# Allegro board RK_NVR_DEMO1_RK3588_LP4XD200P232SD8_V21_20211228_final_lint.brd (continued)
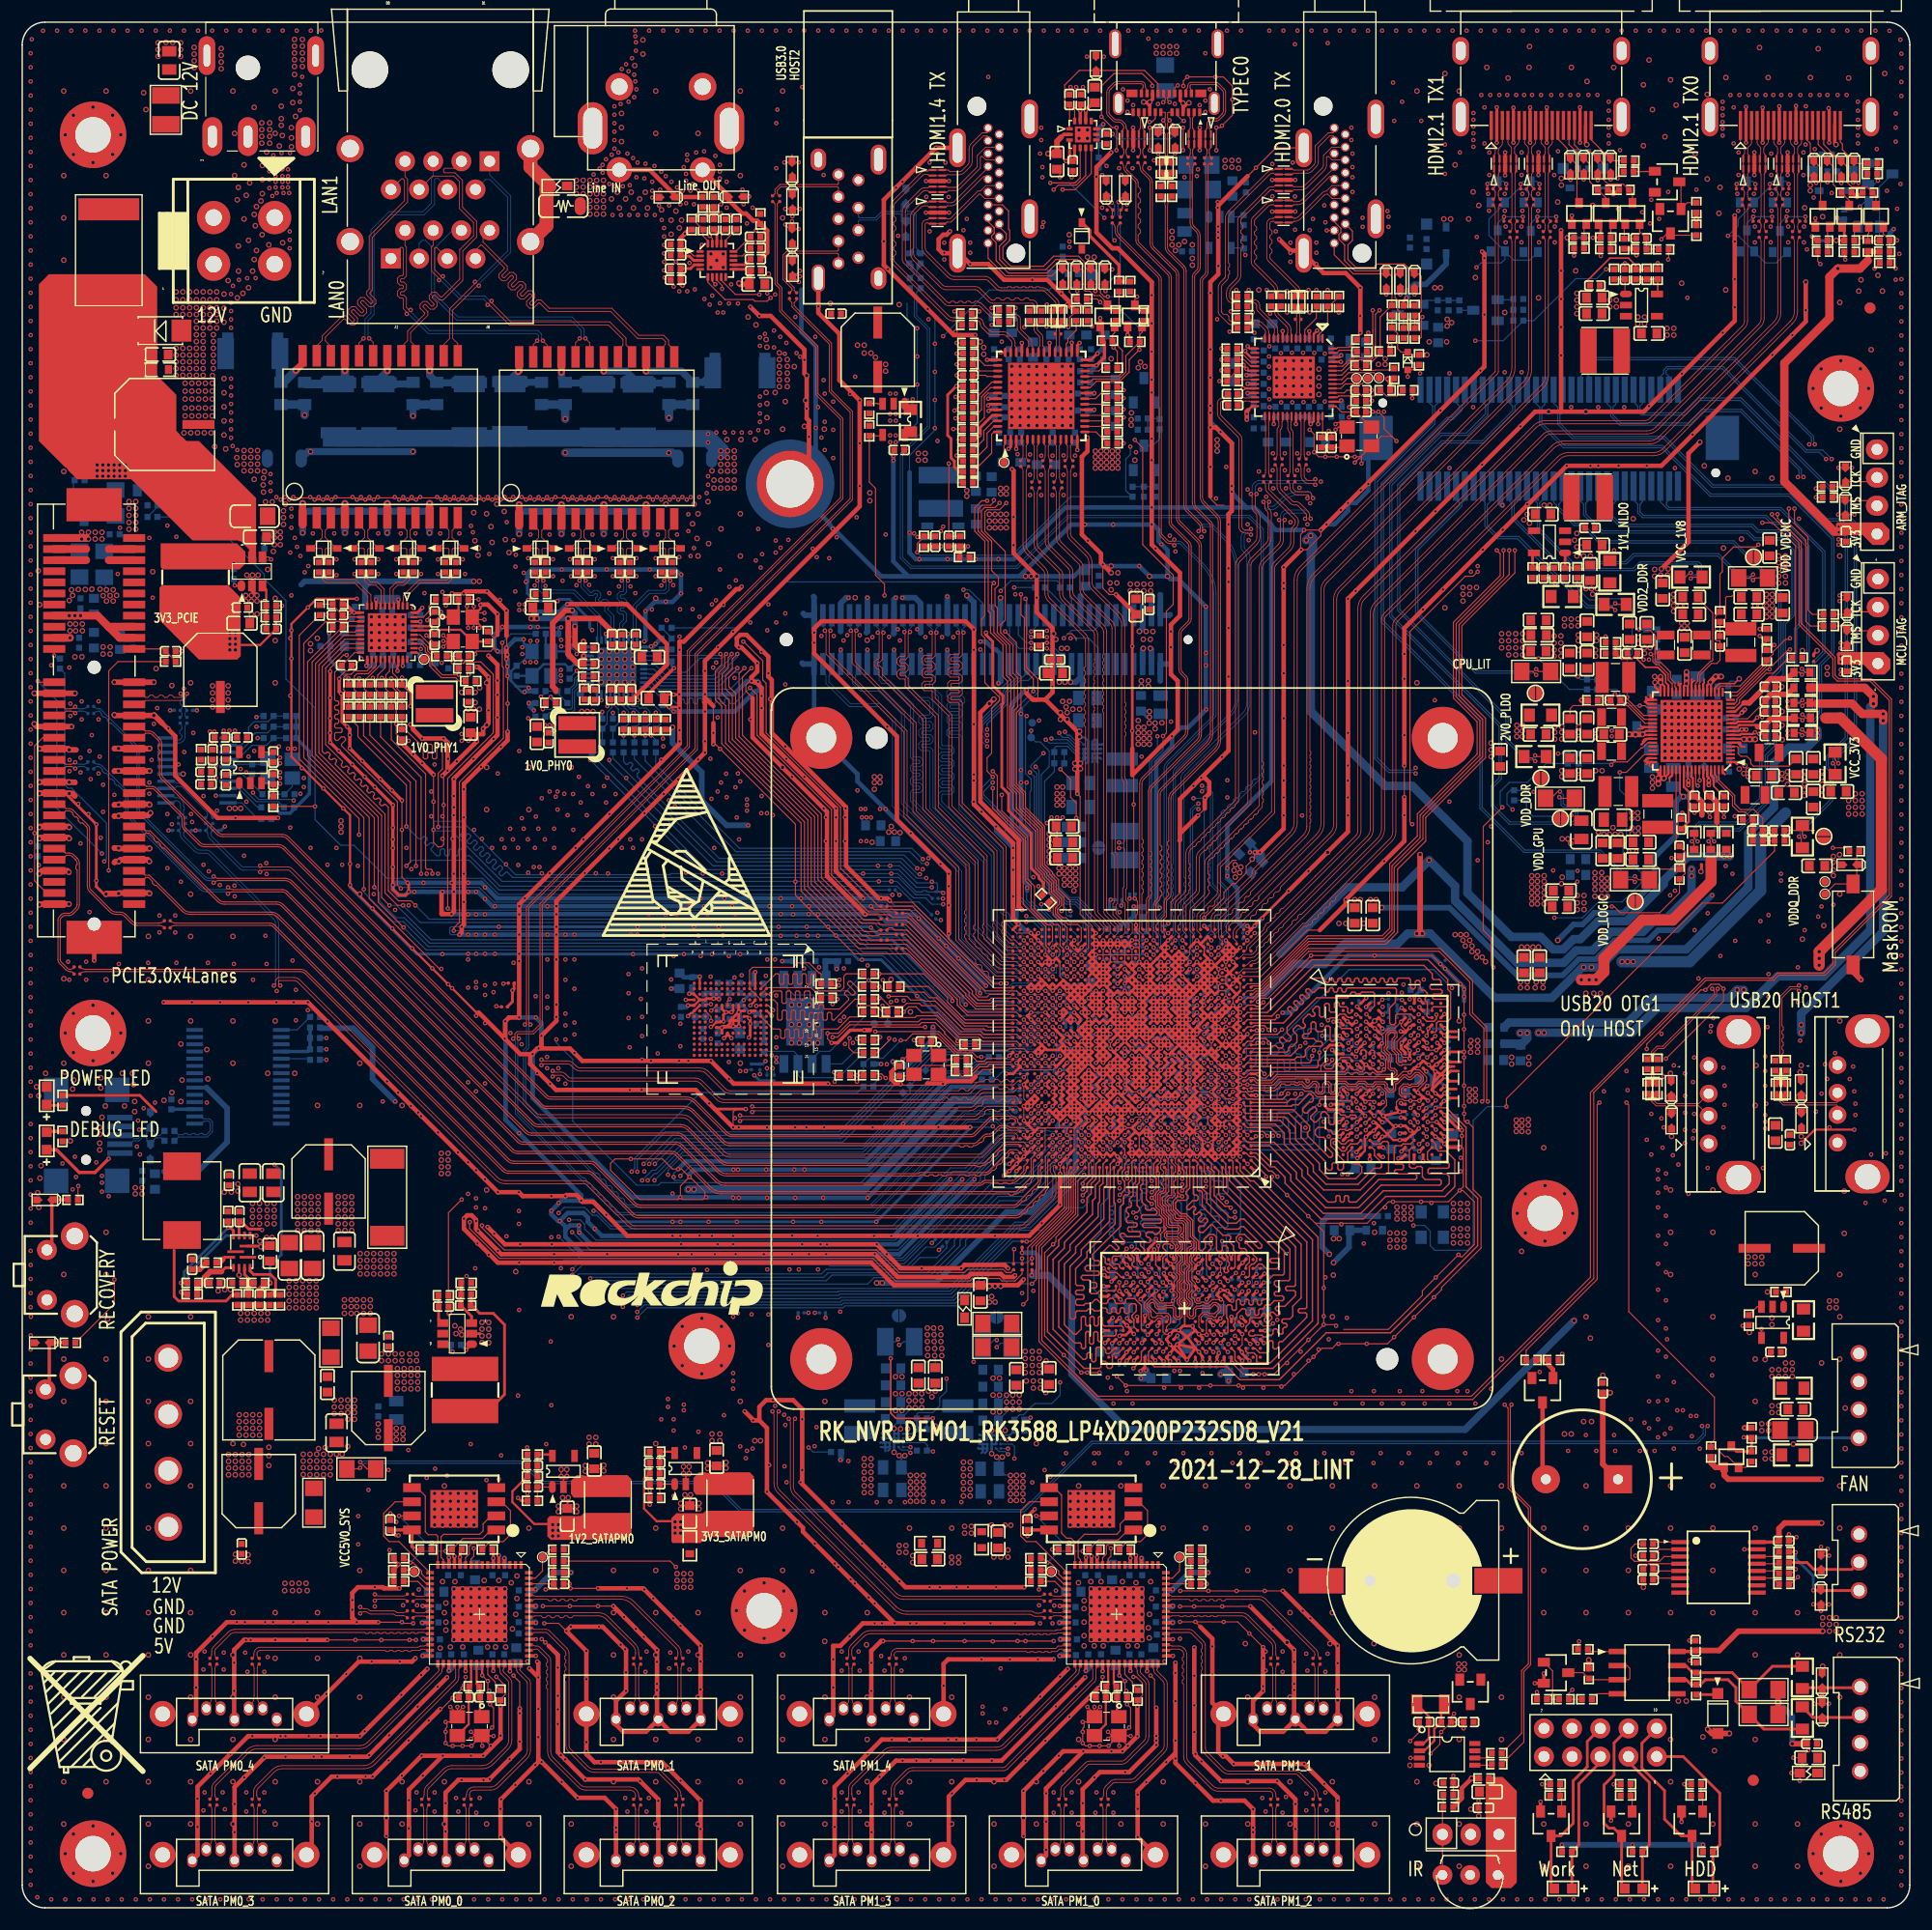
[diagram p0: board, top side]
## Routing (per net, layer and track width the routed paths; a pad name or vN(x,y) marks a point on that pad's centre or on a via; arc(x,y) is an arc through that point) (continued)
GMAC0_TXD1_SOC: length 14.5
  TOP w0.089: 89.27,81.69 U1000.AD34
  TOP w0.102: 89.27,81.69 87.42,81.69 87.26,81.53 86.03,81.53 85.32,82.24 85.32,82.52 79.7,88.13 78.61,88.13 78.41,88.33 78.1,88.33 R1508.1
GMAC0_TXD2: length 44
  TOP w0.102: v1(64.44,113.02) 63.98,112.56 63.98,111.65 63.37,111.04 63.37,109.87 63.98,109.26 63.98,105.33 71.09,98.21 71.09,92.27 75.74,87.62 77.14,87.62 77.26,87.75 R1504.2
  BOTTOM w0.102: U6701.16 56.92,111.65 57.81,110.76 62.43,110.76 64.44,112.77 v1(64.44,113.02)
GMAC0_TXD2_SOC: length 13.6
  TOP w0.089: U1000.AC33 89.92,81.04
  TOP w0.102: 89.92,81.04 89.61,81.35 87.81,81.35 87.74,81.28 85.97,81.28 85.01,82.24 85.01,82.39 79.65,87.75 79.29,87.75
GMAC0_TXD3: length 42.4
  TOP w0.102: R1505.2 75.61,87.24 70.79,92.07 70.79,98.06 63.68,105.17 63.68,108.86 63.07,109.47 63.07,111.2 63.61,111.75 63.61,112.71 v1(63.93,113.02)
  BOTTOM w0.102: v1(63.93,113.02) 63.93,112.77 62.23,111.07 58.01,111.07 57.02,112.05 U6701.15
GMAC0_TXD3_SOC: length 14
  TOP w0.089: U1000.AC34 89.27,81.04
  TOP w0.102: 89.27,81.04 85.91,81.04 84.77,82.17 84.77,82.2 79.73,87.24 77.9,87.24
GMAC0_TXEN: length 39.9
  TOP w0.102: v1(65.71,111.75) 64.89,110.94 64.89,105.71 72.01,98.59 72.01,92.85 75.82,89.04 77.29,89.04 R1509.2
  BOTTOM w0.102: v1(65.71,111.75) 63.8,109.85 57.3,109.85 56.69,110.45 U6701.19
GMAC0_TXEN_SOC: length 14.6
  TOP w0.089: 89.27,82.34 U1000.AE34
  TOP w0.102: 89.27,82.34 87.17,82.34 86.94,82.11 86.18,82.11 85.93,82.36 85.93,82.77 79.68,89.02 78.02,89.02 R1509.1
GMAC1_MCLKIN: length 1.4
  TOP w0.102: U1000.AE29 v1(92.2,82.66)
  BOTTOM w0.089: R1910.1 91.54,83.13 92.01,82.66 v1(92.2,82.66)
GMAC1_MCLKINOUT: length 84.5
  TOP w0.102: R6814.1 C6806.1 39.67,112.49 39.67,112.34 v1(39.7,112.31) 41.32,112.31 42.44,111.19 42.44,105.92 38.34,101.81 v1(38.34,90.08)
  BOTTOM w0.089: 88.47,82.42 88.82,82.42 89.54,83.13 R1910.2
  BOTTOM w0.102: v1(39.7,112.31) 39.67,112.34 39.67,112.41 39.31,112.77 R6815.1 ; 88.47,82.42 86.87,82.42 80.13,89.15 78.15,89.15 77.37,89.93 38.49,89.93 v1(38.34,90.08)
GMAC1_MDC: length 94.2
  TOP w0.102: U6801.13 27.35,115.95 25.37,113.97 25.37,103.67 30.78,98.27 v1(30.78,91.81)
  BOTTOM w0.089: 88.47,79.11 R1911.2
  BOTTOM w0.102: 88.47,79.11 84.92,79.11 77.88,86.15 75.72,86.15 75.21,86.66 36.58,86.66 34.35,88.89 33.45,88.89 30.78,91.56 v1(30.78,91.81)
GMAC1_MDC_SOC: length 1.8
  TOP w0.089: U1000.Y31 91.22,79.09
  TOP w0.102: 91.22,79.09 v1(90.9,79.41)
  BOTTOM w0.089: v1(90.9,79.41) 90.71,79.41 90.38,79.09 89.76,79.09 89.73,79.11 R1911.1
GMAC1_MDIO: length 97.2
  TOP w0.089: U1000.Y30 91.87,79.09
  TOP w0.102: U6801.14 28.98,115.55 R6835.2 28.84,115.45 25.72,112.32 25.72,103.84 31.27,98.29 31.27,90.97 37.6,84.64 v1(37.77,84.64) ; 91.87,79.09 v1(91.55,79.41)
  L6-S2 w0.089: v1(91.55,79.41) 91.22,79.74 88.47,79.74
  L6-S2 w0.102: 88.47,79.74 83.45,79.74 82.57,80.61 80.54,80.61 80.16,80.23 75.64,80.23 73.45,82.42 69.26,82.42 68.58,81.73 65.48,81.73 65.07,81.32 63.37,81.32 62.58,80.53 61.42,80.53 61.03,80.92 50.57,80.92 46.85,84.64 v1(37.77,84.64)
GMAC1_RSTN_L_GPIO4_A2: length 100.4
  TOP w0.102: v1(30.35,96.73) 30.35,98.19 24.97,103.57 24.97,114.71 R6836.1 ; v1(87.45,102.46) 87.86,102.05 87.86,99 90.4,96.46 90.4,92.6 90.9,92.09 90.9,90.06 92.33,88.63 92.63,88.63 92.83,88.43 92.83,87.19 U1000.AM29
  L6-S2 w0.102: v1(87.45,102.46) 84.61,99.61 69.37,99.61 66.49,96.73 v1(30.35,96.73)
GMAC1_RXCLK: length 72.1
  TOP w0.102: v1(37.49,97.43) 37.49,102.28 37.86,102.65 37.86,104.79 37.76,104.89 37.45,104.89 37.35,104.79 37.35,103.67 37.25,103.57 37.05,103.57 36.95,103.67 36.95,104.79 36.85,104.89 36.64,104.89 36.54,104.79 36.54,103.67 36.44,103.57 36.24,103.57 36.13,103.67 36.13,104.6 34.5,106.23 C6823.1 34.21,107.35 R6841.2
  BOTTOM w0.102: v1(37.49,97.43) 39.64,97.43 39.84,97.24 39.84,97.09 39.52,96.78 39.52,96.64 39.67,96.49 39.81,96.49 40.12,96.81 40.27,96.81 40.41,96.66 40.41,96.52 40.1,96.21 40.1,96.06 40.24,95.92 40.38,95.92 40.7,96.23 40.84,96.23 40.99,96.09 40.99,95.94 40.67,95.63 40.67,95.49 40.82,95.34 40.96,95.34 41.27,95.66 41.42,95.66 41.56,95.51 41.56,95.37 41.25,95.06 41.25,94.91 41.39,94.77 41.54,94.77 41.85,95.08 41.99,95.08 42.14,94.94 42.14,94.79 41.82,94.48 41.82,94.34 41.97,94.19 42.11,94.19 42.42,94.51 42.57,94.51 42.71,94.36 42.71,94.22 42.4,93.91 42.4,93.76 42.54,93.62 42.69,93.62 43,93.93 43.14,93.93 43.29,93.79 43.29,93.64 42.97,93.33 42.97,93.19 43.12,93.04 43.26,93.04 43.57,93.36 43.72,93.36 44.2,92.88 78.96,92.88 80.51,91.33 81.67,91.33 R1905.2
GMAC1_RXCLK_SOC: length 12.1
  TOP w0.089: U1000.AH30 v1(91.55,84.61)
  L6-S2 w0.089: v1(91.55,84.61) 91.37,84.61 91.05,84.94 89.53,84.94 87.59,86.87
  L6-S2 w0.102: v1(82.96,90.97) 83.49,90.97 87.59,86.87
  BOTTOM w0.086: R1905.1 82.95,90.99 v1(82.96,90.97)
GMAC1_RXD0: length 81.2
  TOP w0.089: U1000.AG29 v1(92.2,83.96)
  TOP w0.102: R6837.2 32.29,105.56 35.94,101.91 v1(35.94,93.21)
  L6-S2 w0.089: 89.16,84.29 91.7,84.29 92.02,83.96 v1(92.2,83.96)
  L6-S2 w0.102: 89.16,84.29 88.59,84.29 82.24,90.63 82.24,91.31 82.69,91.76 82.69,92.8 82.27,93.23 82.27,94.53 81.84,94.96 71.45,94.96 68.6,92.11 43.85,92.11 43.15,92.8 36.35,92.8 v1(35.94,93.21)
GMAC1_RXD1: length 81.5
  TOP w0.089: U1000.AG28 93.17,83.64
  TOP w0.102: v1(35.48,93.91) 35.48,101.56 31.33,105.71 R6838.2 ; 93.17,83.64 v1(92.85,83.96)
  L6-S2 w0.089: 89.18,89.25 89.18,86.89 89.83,86.24 90.66,86.24 90.68,86.22 91.03,86.22 91.21,86.04 91.21,85.69 91.33,85.57 91.68,85.57 91.86,85.39 91.86,85.11 92.03,84.94 92.33,84.94 92.52,84.75 92.52,84.38 92.52,84.38 92.52,84.29 v1(92.85,83.96)
  L6-S2 w0.102: v1(35.48,93.91) 43.06,93.91 44.2,92.77 68.33,92.77 71.13,95.57 82.92,95.57 89.18,89.31 89.18,89.25
GMAC1_RXD2: length 60.3
  TOP w0.102: R6839.2 30.76,106.96 30.76,105.67 34.97,101.46 34.97,94.27 v1(34.62,93.92)
  BOTTOM w0.102: R1902.2 42.96,91.75 40.28,94.43 35.13,94.43 v1(34.62,93.92)
GMAC1_RXD2_SOC: length 23.8
  TOP w0.089: U1000.AD27 v1(93.5,81.36)
  L6-S2 w0.089: 88.47,80.51 89.71,80.51 89.96,80.76 90.49,80.76 90.76,81.04 93.17,81.04 v1(93.5,81.36)
  L6-S2 w0.102: v1(79.04,91.31) 79.04,87.34 82.71,83.68 82.71,81.8 84,80.51 88.47,80.51
  BOTTOM w0.102: R1902.1 78.84,91.57 78.84,91.51 v1(79.04,91.31)
GMAC1_RXD3: length 67.2
  TOP w0.102: v1(34.62,97.48) 34.62,101.2 30.25,105.57 30.25,106.5 R6840.2
  BOTTOM w0.102: R1903.2 80.79,90.67 80.25,90.67 78.82,92.09 43.05,92.09 40.31,94.84 39.8,94.84 39.7,94.94 39.7,95.34 39.59,95.45 39.39,95.45 39.29,95.34 39.29,94.94 39.19,94.84 38.98,94.84 38.88,94.94 38.88,95.34 38.78,95.45 38.58,95.45 38.48,95.34 38.48,94.94 38.37,94.84 38.17,94.84 38.07,94.94 38.07,95.34 37.97,95.45 37.76,95.45 37.66,95.34 37.66,94.94 37.56,94.84 37.36,94.84 36.84,95.35 36.84,95.5 37.06,95.71 37.06,95.85 36.91,96 36.77,96 36.56,95.78 36.41,95.78 36.27,95.93 36.27,96.07 36.48,96.28 36.48,96.43 36.34,96.57 36.19,96.57 35.98,96.36 35.74,96.36 v1(34.62,97.48)
GMAC1_RXD3_SOC: length 15.9
  TOP w0.089: U1000.AE27 v1(93.5,82.01)
  L6-S2 w0.089: 88.62,82.61 88.89,82.61 89.27,82.99 91.68,82.99 91.87,82.8 91.87,82.53 92.06,82.34 93.17,82.34 v1(93.5,82.01)
  L6-S2 w0.102: v1(82.78,89.04) 87.4,84.42 87.4,82.95 87.7,82.64 87.72,82.64 87.75,82.62 88.61,82.62 88.62,82.61
  BOTTOM w0.086: R1903.1 82.41,89.04 v1(82.78,89.04)
GMAC1_RXDV_CRS: length 79.6
  TOP w0.089: U1000.AH29 v1(92.2,84.61)
  TOP w0.102: R6842.2 33.26,105.31 36.35,102.22 36.35,93.72 36.45,93.62 36.85,93.62 36.95,93.52 v1(36.95,93.22)
  L6-S2 w0.089: 88.57,89.34 88.57,86.68 89.66,85.59 91.01,85.59 91.21,85.39 91.21,85.08 91.35,84.94 91.76,84.94 92.09,84.61 v1(92.2,84.61)
  L6-S2 w0.102: 88.57,89.34 82.65,95.27 71.29,95.27 68.47,92.44 44.03,92.44 42.88,93.58 37.32,93.58 v1(36.95,93.22)
GMAC1_TXCLK: length 91
  TOP w0.102: v1(34.11,91.89) 33.81,92.19 33.81,99.71 28.77,104.75 28.77,104.89 29.13,105.26 29.13,105.4 28.99,105.55 28.74,105.55 28.43,105.23 28.29,105.23 28.15,105.36 28.15,105.84 28.26,105.94 28.73,105.94 28.83,106.04 28.83,106.25 28.73,106.35 28.26,106.35 28.15,106.45 28.15,106.66 28.26,106.76 28.42,106.76 28.52,106.86 28.52,107.07 28.42,107.17 28.26,107.17 28.15,107.27 28.15,107.47 28.26,107.58 28.42,107.58 28.52,107.68 28.52,107.88 28.42,107.98 28.26,107.98 28.15,108.08 28.15,108.29 28.26,108.39 28.42,108.39 28.52,108.49 28.52,108.69 28.42,108.8 28.26,108.8 28.15,108.9 28.15,111.38 C6826.1 29.1,112.32 29.12,112.32 29.96,113.15 U6801.20
  BOTTOM w0.089: 88.47,82.95 88.85,82.95 89.25,83.35 90.6,83.35 90.8,83.56 91.66,83.56 92.09,83.13 R1904.2
  BOTTOM w0.102: v1(34.11,91.89) 34.21,91.99 41.17,91.99 42.52,90.64 77.8,90.64 78.53,89.91 80.55,89.91 87.51,82.95 88.47,82.95
GMAC1_TXCLK_SOC: length 1.8
  TOP w0.089: U1000.AD28 v1(92.85,82.01)
  BOTTOM w0.089: R1904.1 92.52,83.04 92.52,82.34 v1(92.85,82.01)
GMAC1_TXD0: length 88.7
  TOP w0.102: U6801.18 29.1,113.95 27.04,111.89 27.04,104.24 27.21,104.07 27.35,104.07 27.45,104.17 27.6,104.17 27.74,104.03 27.74,103.88 27.64,103.78 27.64,103.64 27.79,103.5 27.93,103.5 28.03,103.59 28.17,103.59 28.31,103.45 28.31,103.31 28.22,103.21 28.22,103.06 32.69,98.59 32.69,91.48 33.81,90.37 v1(34.31,90.37)
  BOTTOM w0.089: R1907.2 89.27,81.58 89.21,81.53 88.65,81.53 88.6,81.48 86,81.48 79.3,88.18
  BOTTOM w0.102: v1(34.31,90.37) 35.87,88.81 76.71,88.81 77.34,88.18 79.3,88.18
GMAC1_TXD0_SOC: length 3.7
  TOP w0.089: U1000.AC28 93.17,81.04
  TOP w0.102: 93.17,81.04 v1(92.85,81.36)
  BOTTOM w0.089: R1907.1 89.82,81.58 89.93,81.69 92.52,81.69 v1(92.85,81.36)
GMAC1_TXD1: length 91.7
  TOP w0.102: U6801.17 29.07,114.35 26.73,112.02 26.73,104.12 32.38,98.47 32.38,91.08 v1(33.09,90.37)
  BOTTOM w0.089: R1908.2 91.23,80.38 91.04,80.38 91.03,80.39 88.47,80.39
  BOTTOM w0.102: v1(33.09,90.37) 33.74,90.37 36.83,87.27 75.89,87.27 76.29,86.86 78.15,86.86 84.63,80.39 88.47,80.39
GMAC1_TXD1_SOC: length 0.9
  TOP w0.089: U1000.AC29 92.52,81.04
  TOP w0.102: 92.52,81.04 v1(92.2,81.36)
  BOTTOM w0.089: R1908.1 91.9,81.07 v1(92.2,81.36)
GMAC1_TXD2: length 91.1
  TOP w0.102: v1(34.36,88.38) 32.08,90.66 32.08,98.34 26.43,103.99 26.43,112.15 28.98,114.7 30.1,114.7 30.15,114.75 U6801.16
  BOTTOM w0.089: 88.47,78.73 88.92,78.73 89.17,78.48 R1900.2
  BOTTOM w0.102: 88.47,78.73 84.66,78.73 77.55,85.84 75.59,85.84 75.08,86.35 36.39,86.35 v1(34.36,88.38)
GMAC1_TXD2_SOC: length 4
  TOP w0.089: U1000.AA29 92.52,79.74
  TOP w0.102: 92.52,79.74 v1(92.2,80.06)
  BOTTOM w0.089: R1900.1 89.72,78.48 89.76,78.44 90.38,78.44 90.57,78.63 90.57,78.9 90.76,79.09 91.03,79.09 91.22,79.28 91.22,79.55 91.41,79.74 91.87,79.74 v1(92.2,80.06)
GMAC1_TXD3: length 91.2
  TOP w0.102: v1(31.73,91.99) 31.73,98.26 26.12,103.86 26.12,112.3 28.83,115 29.97,115 30.12,115.15 U6801.15
  BOTTOM w0.089: 88.47,79.75 R1901.2
  BOTTOM w0.102: v1(31.73,91.99) 32.18,91.54 32.18,90.77 33.7,89.25 34.42,89.25 36.71,86.96 75.76,86.96 76.17,86.56 77.99,86.56 84.8,79.75 88.47,79.75
GMAC1_TXD3_SOC: length 2.4
  TOP w0.089: U1000.AA30 91.87,79.74
  TOP w0.102: 91.87,79.74 v1(91.55,80.06)
  BOTTOM w0.089: v1(91.55,80.06) 91.36,80.06 91.03,79.74 89.75,79.74 89.73,79.75 R1901.1
GMAC1_TXEN: length 90.1
  TOP w0.102: U6801.19 29.13,113.55 27.34,111.77 27.34,104.86 28.86,103.34 28.86,103.2 28.76,103.1 28.76,102.95 28.9,102.81 29.05,102.81 29.14,102.91 29.29,102.91 29.43,102.77 29.43,102.62 29.33,102.52 29.33,102.38 29.48,102.24 29.62,102.24 29.72,102.33 29.86,102.33 30.01,102.19 30.01,102.05 29.91,101.95 29.91,101.8 30.05,101.66 30.2,101.66 30.29,101.76 30.44,101.76 30.58,101.62 30.58,101.47 30.48,101.37 30.48,101.23 30.63,101.09 30.77,101.09 30.87,101.18 31.01,101.18 31.16,101.04 31.16,100.9 31.06,100.8 31.06,100.65 31.2,100.51 31.35,100.51 31.44,100.61 31.59,100.61 31.73,100.47 31.73,100.32 31.63,100.22 31.63,100.08 31.78,99.94 31.92,99.94 32.02,100.03 32.16,100.03 32.31,99.89 32.31,99.75 32.21,99.65 32.21,99.5 32.35,99.36 32.5,99.36 32.59,99.46 32.74,99.46 32.99,99.2 32.99,91.69 33.91,90.77 35.02,90.77 v1(35.43,90.37)
  BOTTOM w0.089: R1909.2 89.27,82.34 88.71,81.78 88.47,81.78
  BOTTOM w0.102: 88.47,81.78 86.13,81.78 79.42,88.49 77.54,88.49 76.91,89.12 36.68,89.12 v1(35.43,90.37)
GMAC1_TXEN_SOC: length 3
  TOP w0.089: U1000.AD29 v1(92.2,82.01)
  BOTTOM w0.089: R1909.1 89.82,82.34 89.83,82.34 91.87,82.34 v1(92.2,82.01)
HDD_LED+: length 12.9
  TOP w0.254: LED9002.1 R9005.2 146.61,5.67 146.61,11.3 144.73,13.17 J9001.7
HDD_LED-: length 16.4
  TOP w0.254: J9001.8 143.43,14.87 143.43,11.98 142.53,11.08 142.53,7.62 142.97,7.18 143.41,7.18 Q9002.3 144.11,2.01 LED9002.2
HDD_LED_EN_H_GPIO3_C1: length 168
  TOP w0.102: U1000.Y27 93.82,79.09 v1(93.5,79.41) ; R9008.1 v1(143.41,11.14)
  L4-S1 w0.089: 88.47,80.31 88.57,80.31 89.14,79.74 93.17,79.74 v1(93.5,79.41)
  L4-S1 w0.102: 88.47,80.31 83.79,80.31 82.83,81.27 79.3,81.27 v1(78.79,81.78) ; v1(87.75,16.71) 87.3,17.16 87.3,20.06 72.24,35.12 72.24,44.26 68.63,47.87 68.63,84.4 67.84,85.18 v1(67.84,85.49)
  L6-S2 w0.102: v1(67.84,85.49) 68.7,86.35 76.4,86.35 78.79,83.96 v1(78.79,81.78) ; v1(143.41,11.14) 143.03,11.52 135.17,11.52 134.03,10.38 122.66,10.38 119.31,13.73 108.86,13.73 107.85,12.72 102.24,12.72 101.63,13.33 95.33,13.33 93.98,14.67 89.79,14.67 v1(87.75,16.71)
HDMI0_TX0N_PORT: length 7
  TOP w0.076: J5000.9 158.82,159.22 arc(158.79,159.08) 158.71,158.96 158.52,158.77 arc(158.46,158.68) 158.44,158.58 158.44,158.23 arc(158.46,158.15) 158.51,158.07 arc(158.56,158) 158.57,157.92 ED5001.9 ED5001.2 158.57,156.49 arc(158.56,156.43) 158.53,156.38 arc(158.48,156.31) 158.46,156.22 158.46,155.46 arc(158.51,155.19) R1706.1 158.6,154.89 arc(158.5,154.74) 158.46,154.56 158.46,154.43 arc(158.51,154.21) C1701.2
HDMI0_TX0N_PORT/EDP0_TX_D0N: length 93.5
  TOP w0.076: U1000.AJ1 110.72,84.96 110.8,85.04 arc(110.87,85.09) 110.96,85.11 111.02,85.11 arc(111.2,85.14) 111.35,85.24 122.28,96.17 arc(122.63,96.7) 122.76,97.32 122.76,116.17 arc(122.78,116.31) 122.86,116.43 122.94,116.5 138,131.56 arc(138.42,131.85) 138.92,131.95 146.58,131.95 arc(147.16,132.06) 147.66,132.39 147.8,132.53 158.03,142.76 arc(158.35,143.24) 158.46,143.81 158.46,153.09 arc(158.51,153.32) C1701.1
HDMI0_TX0P_PORT: length 7
  TOP w0.076: J5000.7 157.82,159.15 arc(157.84,159.05) 157.9,158.96 158.09,158.77 arc(158.14,158.68) 158.16,158.58 158.16,158.16 arc(158.15,158.11) 158.12,158.06 arc(158.08,158.01) 158.07,157.94 ED5001.10 ED5001.1 158.07,156.52 arc(158.09,156.43) 158.14,156.36 arc(158.17,156.31) 158.18,156.25 158.18,155.46 arc(158.13,155.19) R1707.1 158.05,154.88 arc(158.15,154.74) 158.18,154.58 158.18,154.43 arc(158.13,154.21) C1700.2
HDMI0_TX0P_PORT/EDP0_TX_D0P: length 94
  TOP w0.076: U1000.AJ2 arc(110.28,84.98) 110.46,85.1 110.6,85.24 arc(110.77,85.35) 110.96,85.39 111.02,85.39 arc(111.09,85.4) 111.15,85.44 114.42,88.71 114.42,88.8 114.42,88.89 114.59,89.05 114.76,89.05 114.93,89.21 114.93,89.3 114.92,89.39 115.09,89.55 115.26,89.55 122.08,96.37 arc(122.37,96.81) 122.48,97.32 122.48,116.17 arc(122.53,116.42) 122.67,116.63 122.74,116.7 137.8,131.76 arc(138.31,132.1) 138.92,132.22 146.58,132.22 arc(147.06,132.32) 147.46,132.59 147.6,132.73 157.83,142.96 arc(158.09,143.35) 158.18,143.81 158.18,153.09 arc(158.14,153.32) C1700.1
HDMI0_TX1N_PORT: length 10
  TOP w0.076: J5000.6 157.32,159.21 arc(157.3,159.1) 157.24,159.01 157.16,158.93 157.01,158.78 arc(156.94,158.68) 156.92,158.57 156.92,158.23 arc(156.93,158.17) 156.97,158.11 157,158.08 arc(157.05,158) 157.07,157.92 ED5000.6 ED5000.5 157.07,156.51 arc(157.05,156.43) 157.01,156.37 arc(156.98,156.32) 156.96,156.26 arc(156.96,156.25) 156.96,156.24 156.96,152.54 arc(157.01,152.27) R1704.1 157.03,151.9 arc(156.98,151.82) 156.96,151.73 156.96,151.52 arc(157,151.29) C1703.2
HDMI0_TX1N_PORT/EDP0_TX_D1N: length 90.6
  TOP w0.076: U1000.AK2 110.14,85.66 110.74,85.66 arc(110.94,85.7) 111.11,85.81 111.5,86.21 111.5,86.49 111.62,86.61 111.68,86.61 111.73,86.61 111.9,86.77 111.9,86.83 111.9,86.88 112.06,87.04 112.11,87.04 112.17,87.04 112.33,87.21 112.33,87.26 112.33,87.32 112.49,87.48 112.55,87.48 112.61,87.48 112.77,87.64 112.77,87.7 112.77,87.75 112.93,87.92 112.99,87.92 113.04,87.92 113.2,88.08 113.2,88.13 113.2,88.19 113.37,88.35 113.42,88.35 113.48,88.35 113.64,88.51 113.64,88.57 113.64,88.63 121.38,96.37 arc(121.65,96.77) 121.74,97.24 121.74,116.63 arc(121.83,117.1) 122.1,117.49 137.23,132.63 arc(137.49,132.8) 137.79,132.86 146.38,132.86 arc(146.93,132.97) 147.4,133.28 147.58,133.46 156.63,142.52 arc(156.87,142.88) 156.96,143.3 156.96,150.17 arc(157,150.4) C1703.1
HDMI0_TX1P_PORT: length 9.9
  TOP w0.076: J5000.4 156.32,159.14 arc(156.34,159.02) 156.41,158.92 156.56,158.77 arc(156.62,158.68) 156.64,158.58 156.64,158.18 arc(156.63,158.12) 156.6,158.05 arc(156.58,158.02) 156.57,157.97 ED5000.7 ED5000.4 156.57,156.49 arc(156.58,156.43) 156.61,156.38 arc(156.66,156.31) 156.68,156.22 156.68,152.54 arc(156.63,152.27) R1705.1 156.61,151.9 arc(156.66,151.82) 156.68,151.73 156.68,151.65 156.68,151.65 156.68,151.52 arc(156.63,151.29) C1702.2
HDMI0_TX1P_PORT/EDP0_TX_D1P: length 90.6
  TOP w0.076: U1000.AK3 109.66,85.59 110.01,85.94 110.74,85.94 arc(110.83,85.96) 110.91,86.01 111.22,86.32 111.22,86.61 121.18,96.56 arc(121.39,96.87) 121.46,97.24 121.46,116.63 arc(121.57,117.21) 121.9,117.69 137.04,132.83 arc(137.38,133.06) 137.79,133.14 146.38,133.14 arc(146.82,133.23) 147.2,133.48 147.38,133.66 156.44,142.72 arc(156.62,142.98) 156.68,143.3 156.68,150.17 arc(156.63,150.4) C1702.1
HDMI0_TX2N_PORT: length 7
  TOP w0.076: J5000.3 155.82,159.13 arc(155.8,159.02) 155.74,158.93 155.52,158.71 arc(155.51,158.71) 155.51,158.7 arc(155.48,158.65) 155.47,158.6 155.47,158.11 155.57,158.01 ED5000.9 ED5000.2 155.57,156.51 arc(155.55,156.43) 155.51,156.36 arc(155.47,156.31) 155.46,156.25 155.46,155.46 arc(155.51,155.19) R1702.1 155.56,154.85 arc(155.49,154.74) 155.46,154.61 155.46,154.44 arc(155.5,154.21) C1705.2
HDMI0_TX2N_PORT/EDP0_TX_D2N: length 91.5
  TOP w0.076: U1000.AL1 110.69,86.24 110.61,86.31 110.61,86.54 112.14,88.07 112.14,88.23 120.37,96.46 arc(120.56,96.74) 120.62,97.07 120.62,117.09 arc(120.73,117.61) 121.03,118.06 121.18,118.21 136.36,133.4 arc(136.78,133.68) 137.27,133.77 146.13,133.77 arc(146.53,133.85) 146.86,134.08 155.19,142.41 arc(155.39,142.7) 155.46,143.05 155.46,153.13 arc(155.46,153.13) 155.46,153.13 arc(155.51,153.34) C1705.1
HDMI0_TX2P_PORT: length 7
  TOP w0.076: J5000.1 154.82,159.19 arc(154.84,159.1) 154.89,159.02 155.14,158.77 arc(155.15,158.75) 155.17,158.74 arc(155.19,158.69) 155.19,158.64 155.19,158.13 155.07,158.01 ED5000.10 ED5000.1 155.07,156.47 arc(155.08,156.43) 155.1,156.39 arc(155.14,156.34) 155.17,156.27 arc(155.18,156.24) 155.18,156.2 155.18,155.46 arc(155.13,155.19) R1703.1 155.05,154.88 arc(155.15,154.74) 155.18,154.57 155.18,154.44 arc(155.13,154.21) C1704.2
HDMI0_TX2P_PORT/EDP0_TX_D2P: length 91.9
  TOP w0.076: U1000.AL2 110.17,86.24 110.34,86.4 110.34,86.66 111.86,88.18 111.86,88.35 112.02,88.51 112.02,88.62 112.18,88.78 112.3,88.78 112.46,88.95 112.46,89.06 112.62,89.22 112.73,89.22 112.89,89.38 112.89,89.49 113.05,89.66 113.17,89.66 113.33,89.82 113.33,89.93 113.49,90.09 113.6,90.09 116.53,93.01 120.17,96.66 arc(120.3,96.85) 120.34,97.07 120.34,117.09 arc(120.47,117.72) 120.83,118.26 120.98,118.41 136.17,133.6 arc(136.67,133.93) 137.27,134.05 146.13,134.05 arc(146.42,134.11) 146.67,134.27 155,142.6 arc(155.13,142.81) 155.18,143.05 155.18,153.13 155.18,153.15 arc(155.15,153.32) 155.05,153.47 C1704.1
HDMI0_TX3N_PORT: length 9.9
  TOP w0.076: J5000.12 160.32,159.15 arc(160.3,159.05) 160.24,158.97 160.06,158.78 arc(159.99,158.68) 159.97,158.57 159.97,158.19 arc(159.98,158.12) 160.02,158.06 arc(160.06,158.01) 160.07,157.94 ED5001.6 ED5001.5 160.07,156.49 arc(160.06,156.43) 160.02,156.38 arc(159.98,156.31) 159.96,156.23 159.96,152.54 arc(159.96,152.51) 159.96,152.48 arc(160,152.26) 160.12,152.08 R1700.1 arc(160.01,151.81) 159.96,151.54 159.96,151.52 arc(160.01,151.29) C1707.2
HDMI0_TX3N_PORT/EDP0_TX_D3N: length 93.3
  TOP w0.076: U1000.AH2 110.15,84.36 111.17,84.36 arc(111.4,84.41) 111.6,84.54 115.52,88.46 115.72,88.46 115.88,88.62 115.98,88.62 116.08,88.62 116.25,88.78 116.25,88.88 116.25,88.89 116.25,88.99 116.41,89.15 116.51,89.15 116.61,89.15 116.77,89.31 116.77,89.41 116.77,89.41 116.77,89.51 116.93,89.67 117.04,89.67 117.14,89.67 117.3,89.84 117.3,89.94 117.3,90.04 117.46,90.2 117.56,90.2 117.66,90.2 117.83,90.36 117.83,90.46 117.83,90.57 117.99,90.73 118.09,90.73 118.09,90.73 118.19,90.73 118.35,90.89 118.35,90.99 118.35,91.09 123.42,96.16 arc(123.68,96.55) 123.77,97.02 123.77,115.6 arc(123.81,115.8) 123.92,115.97 138.5,130.55 arc(138.9,130.81) 139.36,130.9 146.99,130.9 arc(147.55,131.02) 148.03,131.33 159.49,142.79 159.51,142.81 arc(159.84,143.32) 159.96,143.91 159.96,150.17 arc(160.01,150.4) C1707.1
HDMI0_TX3P_PORT: length 9.9
  TOP w0.076: J5000.10 159.32,159.25 arc(159.35,159.07) 159.45,158.93 159.61,158.77 arc(159.67,158.68) 159.69,158.58 159.69,158.19 arc(159.68,158.13) 159.64,158.08 arc(159.59,158) 159.57,157.91 ED5001.7 ED5001.4 159.57,156.5 arc(159.59,156.43) 159.63,156.37 arc(159.67,156.31) 159.68,156.24 159.68,152.54 arc(159.63,152.27) R1701.1 arc(159.63,151.81) 159.68,151.54 159.68,151.52 arc(159.64,151.29) C1706.2
HDMI0_TX3P_PORT/EDP0_TX_D3P: length 93
  TOP w0.076: U1000.AH3 109.66,84.29 110.02,84.64 111.17,84.64 arc(111.29,84.67) 111.4,84.74 115.4,88.74 115.6,88.74 123.22,96.35 arc(123.42,96.66) 123.49,97.02 123.49,115.6 arc(123.55,115.91) 123.73,116.17 138.31,130.75 arc(138.79,131.07) 139.36,131.18 146.99,131.18 arc(147.44,131.27) 147.83,131.53 147.96,131.66 159.29,142.99 159.31,143.01 arc(159.58,143.42) 159.68,143.91 159.68,150.17 arc(159.64,150.4) C1706.1
HDMI0_TX_CEC_PORT: length 7.9
  TOP w0.102: J5000.13 160.82,159.34 161.11,159.05 161.11,157.7 ED5005.1 161.52,157.38 162.03,156.87 162.03,153.62 Q5002.3
HDMI0_TX_HPD_PORT: length 5.2
  TOP w0.102: J5000.19 163.82,159.18 164.01,159 164.01,158.49 164.56,157.93 164.77,157.93 165.04,157.66 ED5002.1 165.19,157.24 R5004.2
HDMI0_TX_ON_H: length 151.6
  TOP w0.089: 95.68,88.84 94.46,88.84
  TOP w0.102: v1(88.06,126.64) 87.65,126.23 86.71,126.23 86.43,125.95 86.43,124.1 87.35,123.18 87.35,120.54 87.96,119.93 87.96,119.22 87.65,118.91 87.65,117.39 87.86,117.19 87.86,114.95 88.97,113.83 88.97,111.19 89.38,110.79 89.38,108.35 89.18,108.15 89.18,101.17 89.89,100.46 89.89,99.12 91.72,97.29 91.72,93.89 92.33,93.29 92.33,93.11 92.94,92.5 92.94,91.69 93.65,90.97 93.65,90.37 93.29,90.01 93.29,89.7 93.75,89.25 94.05,89.25 94.46,88.84 ; 95.68,88.84 96.08,88.45 96.08,86.54 U1000.AL24
  L4-S1 w0.102: v1(131.14,120.95) 130.63,121.45 130.63,127.04 136.22,132.63 136.22,134.46 137.44,135.68 144.45,135.68 152.47,143.71 152.47,149.5 v1(153.69,150.72)
  L6-S2 w0.102: v1(88.06,126.64) 88.47,127.04 88.97,127.04 89.18,126.84 96.39,126.84 96.59,127.04 102.01,127.04 107.19,121.86 114.53,121.86 115.14,121.25 130.83,121.25 v1(131.14,120.95)
  BOTTOM w0.102: Q1703.1 157.85,154.9 157.23,154.9 Q1701.1 156.05,153.66 154.61,152.21 154.61,151.63 v1(153.69,150.72) 154.65,150.72 Q1702.1 157.08,148.28 158.04,148.28 Q1700.1
HDMI0_TX_SCL_PORT: length 8.5
  TOP w0.102: J5000.15 161.82,158.95 162.63,158.14 ED5004.1 162.72,157.4 163.18,156.94 163.18,155.36 R5001.2 164.63,153.9 Q5000.3
HDMI0_TX_SDA_PORT: length 10.1
  TOP w0.102: J5000.16 162.32,158.95 ED5003.1 163.98,157.38 164.45,156.92 164.45,155.52 164.83,155.14 166.22,155.14 166.72,154.64 R5007.2 167.03,154.3 Q5001.3
HDMI1_TX0N_PORT: length 7.3
  TOP w0.076: 136.09,155.08 R1715.1 136.06,154.8 arc(136.02,154.74) 136.01,154.68 136.01,154.27 arc(136.02,154.2) 136.07,154.13 C1717.2 ; 136.09,155.08 136.01,155.16 136.01,155.29 ; 136.09,155.08 arc(136.03,155.17) 136.01,155.29 ; J5001.9 136.36,159.15 arc(136.35,159.07) 136.31,159.01 136.24,158.95 136.04,158.74 arc(136,158.69) 135.99,158.62 135.99,158.22 arc(136,158.15) 136.04,158.08 136.07,158.06 arc(136.1,158.01) 136.12,157.94 ED5007.9 ED5007.2 136.12,156.72 136.12,156.65 arc(136.1,156.51) 136.06,156.38 arc(136.02,156.32) 136.01,156.25 136.01,155.29
HDMI1_TX0N_PORT/EDP1_TX_D0N: length 77
  TOP w0.076: C1717.1 136.12,153.45 arc(136.04,153.33) 136.01,153.18 136.01,138.75 arc(135.85,137.97) 135.41,137.31 117.58,119.48 arc(117.37,119.17) 117.3,118.81 117.3,97.78 arc(117.17,97.11) 116.79,96.54 111.41,91.16 111.41,91.06 111.41,90.95 111.25,90.79 111.14,90.79 111.14,90.79 111.04,90.79 110.88,90.63 110.88,90.53 110.88,90.53 110.88,90.43 110.72,90.27 110.62,90.27 110.52,90.27 110.35,90.1 110.35,90 110.35,90 110.35,89.9 110.19,89.74 110.09,89.74 109.99,89.74 109.83,89.58 109.83,89.48 109.83,89.48 109.83,89.38 109.67,89.21 109.57,89.21 109.46,89.21 109.29,89.04 109.29,88.87 109.22,88.79 109.04,88.79 108.82,88.57 arc(108.78,88.51) 108.76,88.43 108.76,88.2 U1000.AP4
HDMI1_TX0P_PORT: length 7
  TOP w0.076: C1716.2 135.67,154.13 arc(135.71,154.2) 135.73,154.27 135.73,154.68 arc(135.71,154.74) 135.68,154.8 R1716.1 135.64,155.08 arc(135.71,155.17) 135.73,155.29 135.73,156.25 arc(135.72,156.31) 135.68,156.36 arc(135.63,156.46) 135.62,156.57 ED5007.1 ED5007.10 135.62,157.95 arc(135.63,158.01) 135.66,158.06 arc(135.7,158.13) 135.71,158.21 135.71,158.6 arc(135.69,158.68) 135.65,158.75 135.44,158.96 arc(135.39,159.04) 135.36,159.15 J5001.7